# KiCad board Latest-Full-Backplane.kicad_pcb (continued)
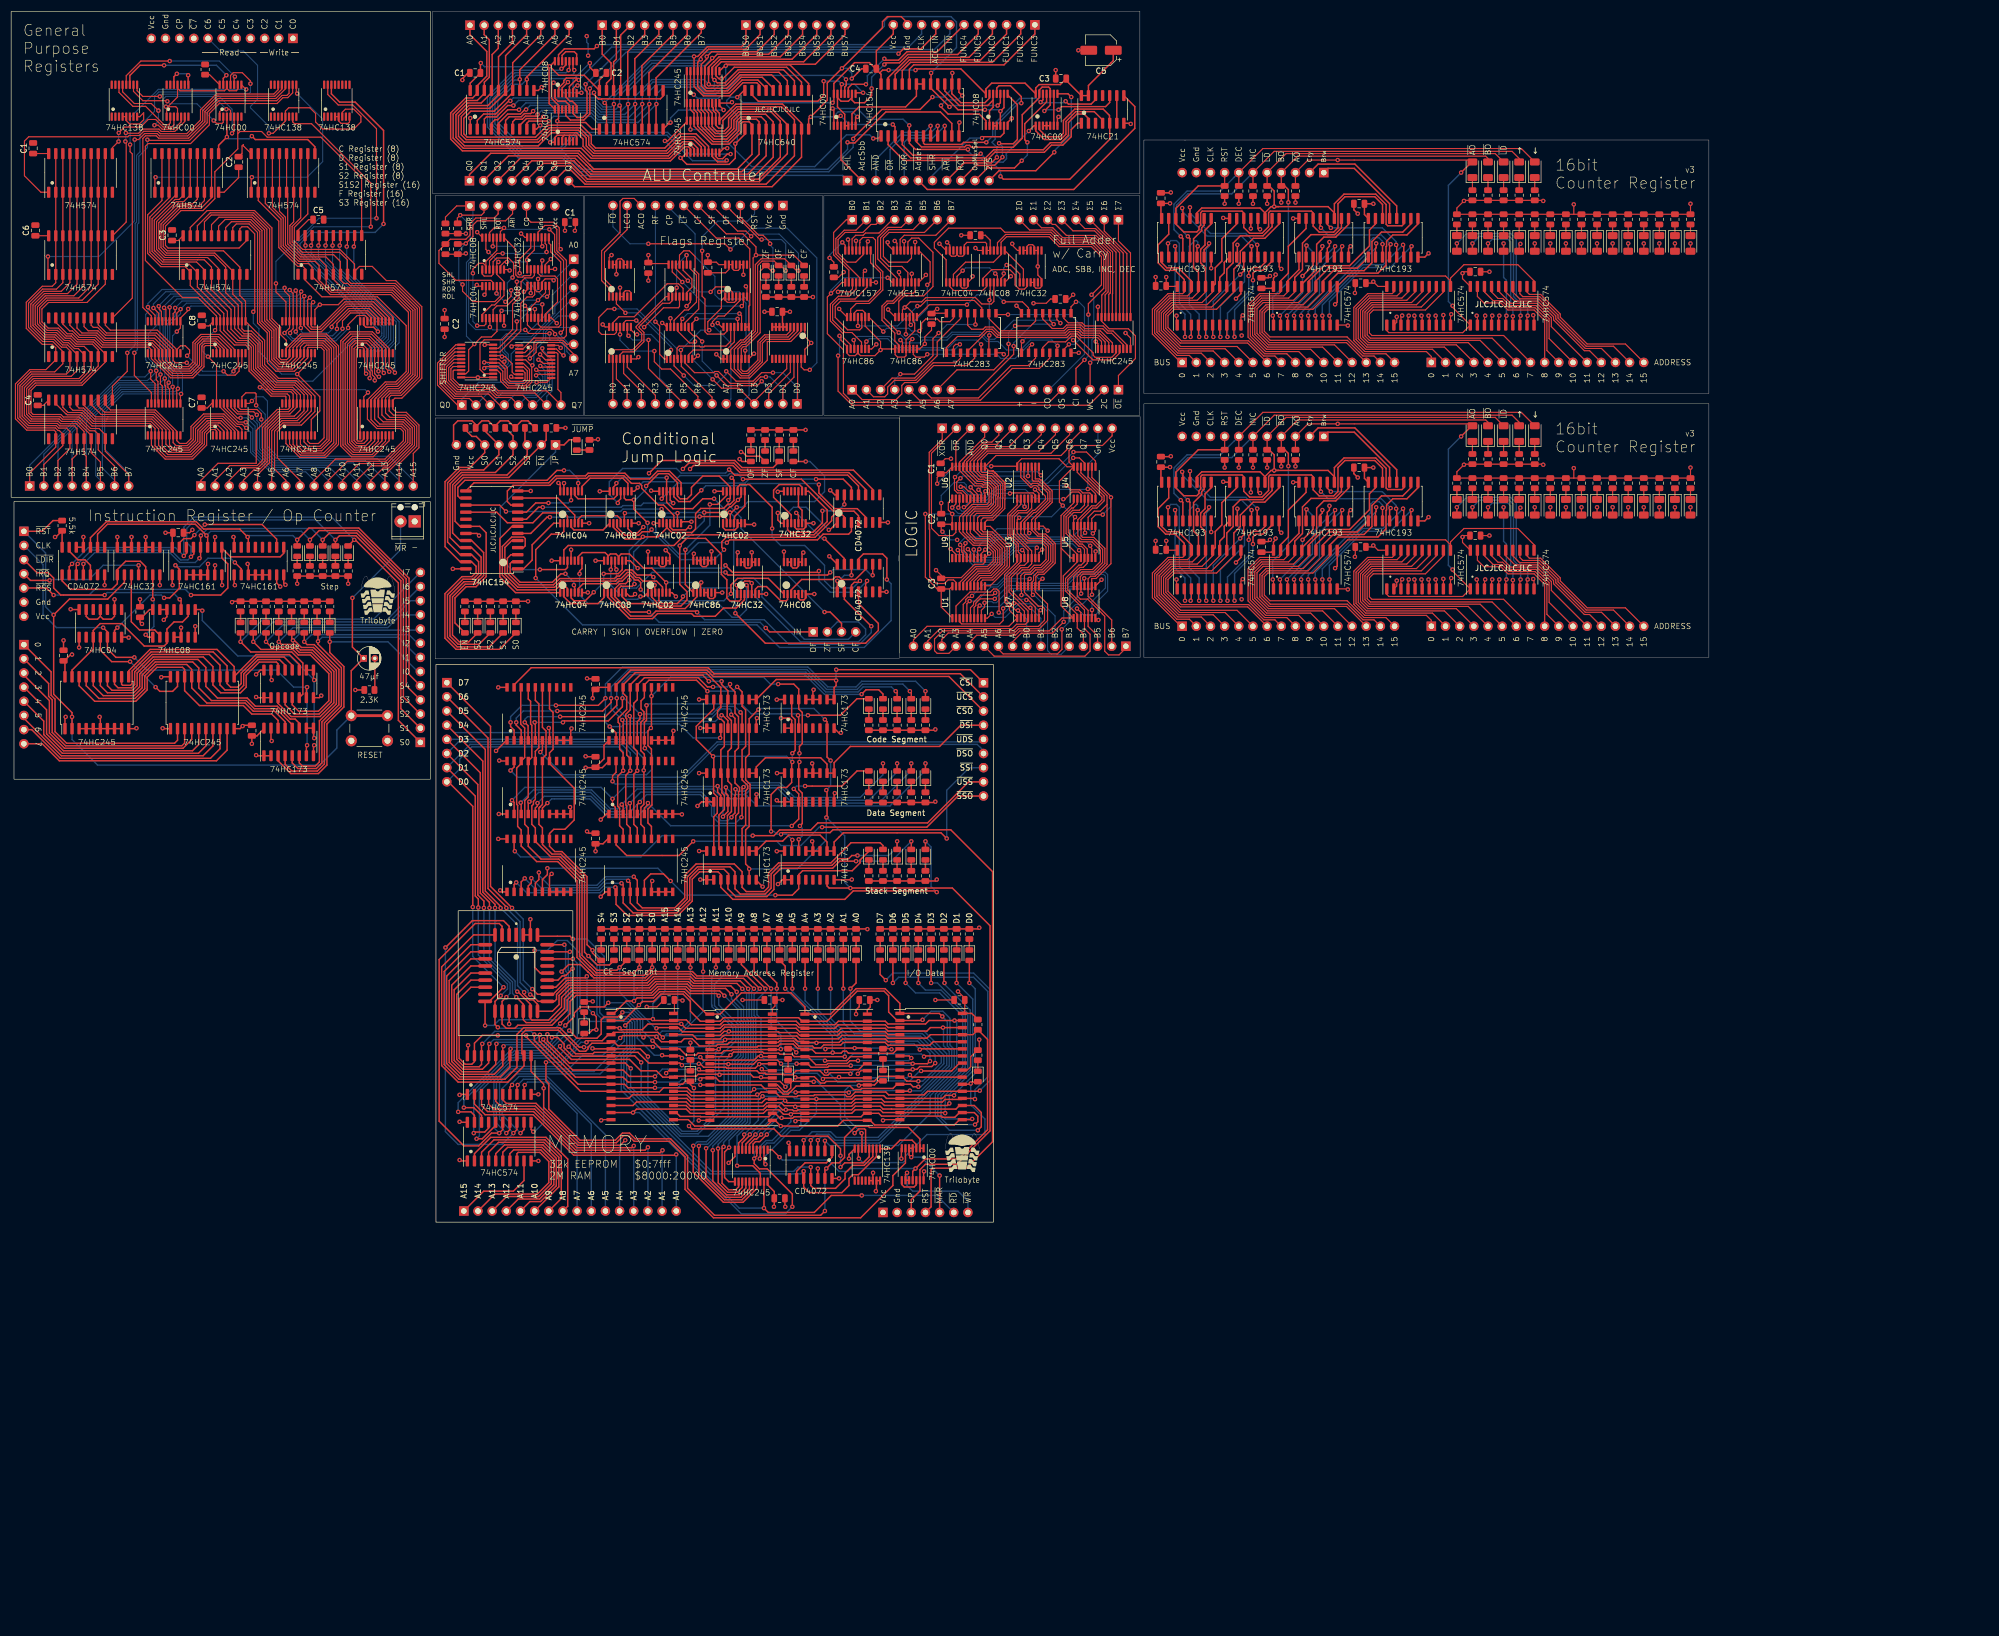
[diagram p0: board, top side]
## Routing (per net, layer and track width the routed paths; a pad name or vN(x,y) marks a point on that pad's centre or on a via; arc(x,y) is an arc through that point) (continued)
ADDR7: length 191.7
  Top w0.2: J2#5.8 51.82,133.02 47.75,137.08 47.75,141.77 48.91,142.93 52.07,142.93 54.49,145.34 54.49,148.13 51.31,151.31 47.95,151.31 45.47,153.79 45.47,158.11 U9#6.11 42.04,165.15 41.02,166.17 41.02,171.25 38.1,174.17 28.03,174.17 27.28,174.92 27.28,178.81 30.26,181.79 34.04,181.79 35.94,183.69 U1#9.9 U1#9.12 ; J3#8.8 267.72,158.99 244.09,158.99 243.65,159.43 243.65,162.86 244.35,163.56 253.68,163.56 256.92,166.8 256.92,167.78 ; 256.92,120.48 256.92,119.49 253.68,116.26 244.35,116.26 243.65,115.56 243.65,112.13 244.09,111.68 267.72,111.68 J3#9.8
ADDR8: length 170.3
  Top w0.2: J3#9.9 275.08,114.37 273.2,116.26 268.5,116.26 267.23,117.53 264.18,117.53 263.02,118.69 U8#5.19 ; U8#8.19 263.02,165.99 264.18,164.83 267.23,164.83 268.5,163.56 273.2,163.56 275.08,161.68 J3#8.9 ; U13#3.19 U13#3.2 44.32,183.19 48.01,179.5 48.01,174.76 51.39,171.37 52.32,171.37 52.7,170.99 52.7,168.96 55.73,165.93 59.96,165.93 59.97,165.93 65.7,165.93 70.86,160.77 70.86,152.52 69,150.65 67.1,150.65 63.91,147.46 U18#2.18 63.91,143.99 65.59,142.31 69.82,142.31 70.36,141.77 70.36,140.13 67.06,136.83 58.17,136.83 54.36,133.02 J2#5.9 ; v1(42.17,142.43) 42.08,142.43 41.44,143.07 40.58,143.07 37.49,146.15 U11#3.18
  Bottom w0.2: v1(42.17,142.43) 42.96,141.63 42.96,138.03 46.45,134.54 52.83,134.54 54.36,133.02 J2#5.9
ADDR9: length 169.9
  Top w0.2: v1(42.07,143.42) 42.03,143.47 40.75,143.47 38.14,146.07 U11#3.17 ; U13#3.18 U13#3.3 45.59,182.68 48.41,179.86 48.41,174.92 51.44,171.88 53.34,171.88 53.97,171.25 53.97,169.98 ; J3#8.10 275.48,156.3 275.48,161.84 273.36,163.96 268.66,163.96 267.39,165.23 265.85,165.23 264.29,166.8 U8#8.18 ; U8#5.18 264.29,119.49 265.85,117.93 267.39,117.93 268.66,116.66 273.36,116.66 275.48,114.54 275.48,109 J3#9.10 ; 53.97,169.61 57.25,166.33 60.13,166.33 60.13,166.33 68.09,166.33 71.26,163.16 71.26,152.35 69.16,150.25 67.33,150.25 67.31,150.23 67.28,150.23 64.56,147.51 U18#2.17 64.56,143.9 65.75,142.71 69.98,142.71 70.75,141.93 70.75,139.96 67.22,136.43 60.31,136.43 56.9,133.02 J2#5.10
  Bottom w0.2: J2#5.10 56.9,133.02 54.98,134.94 46.62,134.94 43.36,138.2 43.36,142.26 42.2,143.42 v1(42.07,143.42)
ADDR10: length 170.5
  Top w0.2: J2#5.11 59.44,133.02 62.45,136.03 67.39,136.03 71.15,139.8 71.15,142.1 70.15,143.11 66.11,143.11 65.21,144.01 U18#2.16 65.21,147.57 65.46,147.82 67.5,149.86 69.33,149.86 71.66,152.19 71.66,163.33 68.26,166.73 60.3,166.73 60.3,166.73 57.42,166.73 55.24,168.9 55.24,171.53 54.49,172.28 51.61,172.28 48.81,175.09 48.81,180.03 46.86,181.97 U13#3.4 U13#3.17 ; v1(41.16,144.22) 40.56,144.22 38.79,145.99 U11#3.16 ; U8#8.17 265.56,166.8 266.72,165.63 267.56,165.63 268.83,164.36 273.53,164.36 275.88,162.01 275.88,158.44 J3#8.11 ; J3#9.11 275.88,111.14 275.88,114.7 273.53,117.06 268.83,117.06 267.56,118.33 266.72,118.33 265.56,119.49 U8#5.17
  Bottom w0.2: J2#5.11 59.44,133.02 57.12,135.34 46.78,135.34 43.76,138.37 43.76,142.72 42.26,144.22 v1(41.16,144.22)
ADDR11: length 170.2
  Top w0.2: J2#5.12 61.98,133.02 64.59,135.63 67.55,135.63 71.55,139.63 71.55,142.26 70.31,143.51 66.73,143.51 65.86,144.38 U18#2.15 65.86,147.65 67.66,149.46 69.5,149.46 72.06,152.02 72.06,163.49 68.43,167.13 60.46,167.13 60.46,167.13 57.58,167.13 56.51,168.2 56.51,171.5 55.33,172.68 51.78,172.68 49.2,175.25 49.2,180.2 48.13,181.27 U13#3.5 U13#3.16 ; J3#8.12 276.28,160.58 276.28,162.17 273.69,164.76 269,164.76 266.83,166.93 266.83,167.78 ; 266.83,120.48 266.83,119.62 269,117.46 273.69,117.46 276.28,114.87 276.28,113.28 J3#9.12 ; U11#3.15 39.44,146.04 40.56,144.92 42.55,144.92 v1(43.18,144.29)
  Bottom w0.2: J2#5.12 61.98,133.02 59.26,135.74 46.95,135.74 44.16,138.53 44.16,143.1 43.18,144.08 v1(43.18,144.29)
ADDR12: length 170.5
  Top w0.2: J2#5.13 64.52,133.02 66.73,135.23 67.72,135.23 71.95,139.47 71.95,142.43 70.48,143.9 67.35,143.9 66.51,144.75 U18#2.14 66.51,147.74 67.83,149.06 69.66,149.06 72.46,151.86 72.46,163.66 68.59,167.53 60.63,167.53 60.63,167.53 59.33,167.53 57.78,169.07 57.78,171.75 56.46,173.08 51.94,173.08 49.6,175.42 49.6,184.47 ; J3#8.13 283.14,156.26 282.2,156.26 276.68,161.79 276.68,162.34 273.86,165.16 269.73,165.16 268.1,166.8 U8#8.15 ; U13#3.15 U13#3.6 ; U8#5.15 268.1,119.49 269.73,117.86 273.86,117.86 276.68,115.03 276.68,114.48 282.2,108.96 283.14,108.96 J3#9.13 ; 40.09,146.8 40.09,145.96 40.73,145.32 43.5,145.32 v1(44.06,144.76)
  Bottom w0.2: J2#5.13 64.52,133.02 61.4,136.14 47.12,136.14 44.56,138.7 44.56,143.27 44.06,143.76 v1(44.06,144.76)
ADDR13: length 174
  Top w0.2: v1(44.87,143.94) 44.87,144.94 44.09,145.72 41.15,145.72 40.74,146.13 U11#3.13 ; U13#3.14 U13#3.7 50.67,179.38 50,178.71 50,175.58 52.11,173.48 57.84,173.48 59.05,172.26 59.05,168.96 59.69,168.33 60.4,168.33 60.79,167.93 68.76,167.93 72.86,163.82 72.86,151.69 69.83,148.66 67.99,148.66 67.16,147.82 U18#2.13 67.16,145.11 67.96,144.3 70.64,144.3 72.35,142.6 72.35,139.3 67.06,134.01 J2#5.14 ; U8#8.14 269.37,166.8 270.6,165.56 274.03,165.56 277.08,162.5 277.08,161.95 282.37,156.66 285.28,156.66 J3#8.14 ; U8#5.14 269.37,119.49 270.6,118.26 274.03,118.26 277.08,115.2 277.08,114.65 282.37,109.36 285.28,109.36 J3#9.14
  Bottom w0.2: J2#5.14 67.06,133.02 63.54,136.54 47.42,136.54 47.38,136.58 47.24,136.58 44.96,138.86 44.96,143.86 v1(44.87,143.94)
ADDR14: length 181
  Top w0.2: J2#5.15 69.6,135.98 72.75,139.14 72.75,142.76 70.81,144.7 68.58,144.7 67.81,145.48 67.81,147.91 68.16,148.26 69.99,148.26 73.26,151.53 73.26,163.99 68.92,168.33 60.96,168.33 60.32,168.96 60.32,172.52 58.93,173.91 52.24,173.91 50.4,175.75 50.4,178.54 51.94,180.08 U13#3.8 U13#3.13 ; J3#8.15 287.42,157.06 282.54,157.06 277.48,162.12 277.48,162.67 274.19,165.96 271.16,165.96 270.64,166.48 U8#8.13 ; J3#9.15 287.42,109.76 282.54,109.76 277.48,114.81 277.48,115.37 274.19,118.66 271.16,118.66 270.64,119.18 U8#5.13 ; U11#3.12 41.39,148 42.1,148.71 43.75,148.71 43.94,148.51 v1(43.94,146.48)
  Bottom w0.2: v1(43.94,146.48) 45.57,144.85 45.57,138.95 47.59,136.94 65.68,136.94 69.6,133.02 J2#5.15
ADDR15: length 181.9
  Top w0.2: U8#8.12 271.91,166.8 272.34,166.36 274.36,166.36 277.88,162.84 277.88,162.28 282.7,157.46 289.56,157.46 J3#8.16 ; v1(43.18,147.24) 42.74,146.8 U11#3.11 ; J2#5.16 72.14,137.85 73.15,138.86 73.15,142.93 70.87,145.21 69.09,145.21 68.46,145.84 U18#2.11 ; 61.59,169.98 61.59,171.81 58.98,174.42 52.29,174.42 50.8,175.91 50.8,178.37 53.21,180.79 U13#3.9 U13#3.12 ; 68.46,147.38 68.83,147.75 70.08,147.75 73.66,151.33 73.66,164.15 68.98,168.83 67.31,168.83 64.77,171.37 62.48,171.37 61.59,170.49 ; U8#5.12 271.91,119.49 272.34,119.06 274.36,119.06 277.88,115.53 277.88,114.98 282.7,110.16 289.56,110.16 J3#9.16
  Bottom w0.2: J2#5.16 72.14,133.02 67.82,137.34 47.75,137.34 45.97,139.12 45.97,147.24 45.21,148.01 43.94,148.01 v1(43.18,147.24)
ADR0: length 65.3
  Top w0.25: D6.2 87.58,102.71 79.82,102.71 77.81,104.72 77.81,112.68 80.88,115.75 82.66,115.75 83.4,116.49 83.4,117.61 82.59,118.42 U13#2.23 80.54,118.42 77.84,121.12 77.84,132.77 80.39,135.33 82.3,135.33 84.95,137.97 J3#5.6 83.42,140.89 82.66,140.89 81.5,142.06 R11.1
ADR1: length 63.4
  Top w0.25: R12.1 85.05,141.81 J3#5.5 87.49,137.59 84.77,134.88 80.58,134.88 78.29,132.59 78.29,121.94 80.54,119.69 U13#2.22 82.59,119.69 83.85,118.43 83.85,116.31 82.84,115.3 81.07,115.3 78.26,112.5 78.26,104.9 80,103.16 85.75,103.16 D7#3.2
ADR2: length 61.7
  Top w0.25: R13#3.1 90.03,141 J3#5.4 90.03,137.59 86.86,134.43 80.77,134.43 78.74,132.4 78.74,122.76 80.54,120.95 U13#2.21 82.59,120.95 84.3,119.25 84.3,116.12 83.03,114.85 81.25,114.85 78.71,112.31 78.71,105.09 80.19,103.61 83.91,103.61 D8.2
ADR3: length 60.1
  Top w0.25: D9#2.2 82.08,104.06 80.38,104.06 79.16,105.28 79.16,112.12 81.44,114.4 83.22,114.4 84.75,115.93 84.75,120.07 82.59,122.23 U13#2.20 80.54,122.23 79.19,123.58 79.19,132.21 80.95,133.98 88.95,133.98 92.57,137.59 J3#5.3 92.16,139.77 R14#4.1
ALU_FUNC_0: length 24.7
  Top w0.25: J5.4 176.02,213.06 171.82,208.87 160.96,208.87 157.31,205.22 U3#2.23
ALU_FUNC_1: length 26.4
  Top w0.25: U3#2.22 158.58,205.85 161.14,208.42 173.91,208.42 178.56,213.06 J5.3
ALU_FUNC_2: length 28
  Top w0.25: J5.2 181.1,213.06 176,207.97 161.33,207.97 159.85,206.49 U3#2.21
ALU_FUNC_3: length 29.4
  Top w0.25: U3#2.20 161.12,206.75 161.89,207.52 178.09,207.52 183.64,213.06 J5.1
ALU_FUNC_4: length 27.5
  Top w0.25: J5.6 166.12,209.88 160.7,209.88 159.18,208.36 156.89,208.36 v1(156.64,208.61) ; U8#4.10 150.18,203.42 150.8,204.04 v1(153.34,204.04)
  Bottom w0.25: v1(156.64,208.61) 153.59,205.56 153.59,204.29 v1(153.34,204.04)
ALU_FUNC_5: length 42.7
  Top w0.25: 148.23,201.64 148.88,200.99 150.18,200.99 150.83,201.64 ; U8#4.13 148.23,199.97 149.53,198.67 U8#4.4 U8#4.5 ; v1(154.35,203.28) 154.35,202.01 153.08,200.74 151.3,200.74 150.83,201.22 U8#4.9 ; v1(156.64,207.59) 156.94,207.89 159.34,207.89 160.83,209.37 169.79,209.37 173.48,213.06 J5.5
  Bottom w0.25: v1(154.35,203.28) 154.35,205.31 156.63,207.59 v1(156.64,207.59)
ARITHMETIC: length 17.9
  Top w0.2: U2#3.1 84.51,162.76 86.2,164.46 86.73,164.46 88.41,166.13 U2#3.8 88.41,168.64 87.11,169.94 U1#5.5 87.11,171.89 v1(87.4,172.19) ; U1#5.13 85.16,174.43 v1(85.63,173.96)
  Bottom w0.2: v1(87.4,172.19) v1(85.63,173.96)
ARITHMETIC_CARRY_OUT: length 23.6
  Top w0.2: J1#6.11 111.76,183.57 109.73,183.57 109.22,183.06 109.22,177.47 105.92,174.17 105.92,168.83 107.27,167.48 U35.1
B0: length 59.5
  Top w0.2: U7.2 181.11,109.19 v1(180.61,109.69) 180.25,109.69 179.79,110.15 179.75,110.15 179.74,110.16 179.74,110.16 179.68,110.22 179.67,110.22 179.66,110.23 179.65,110.23 179.6,110.28 179.6,110.28 179.17,110.7 179.17,110.89 178.61,111.45 178.61,115.94 180.72,118.04 180.73,118.04 181.11,118.43 U3#9.2 181.11,119.73 180.66,120.18 180.66,121.63 179.16,123.13 179.16,126.75 181.11,128.7 U2#7.2 ; J2#3.1 149.83,179.76 147.54,177.47 147.54,173.44 150.27,170.71 U1.2
  Top w0.25: J2.1 106.03,209.44 107.61,207.85 107.61,205.05 106.79,204.23 106.79,202.93
  Bottom w0.2: J1#7.8 182.18,108.11 182.19,108.11 v1(180.61,109.69)
B1: length 64.9
  Top w0.2: U1.5 152.22,169.33 147.94,173.61 147.94,176.37 149.44,177.87 151.53,177.87 J2#3.2 ; U7.5 183.06,109.93 v1(182.82,110.17) 182.49,110.17 179.41,113.25 179.41,115.61 181.05,117.24 181.06,117.24 181.18,117.37 182.38,117.37 183.06,118.05 U3#9.5 183.06,120.37 179.96,123.47 179.96,126.42 180.73,127.19 182.24,127.19 183.06,128.01 U2#7.5
  Top w0.25: U4#5.18 108.06,208.04 108.56,208.55 J2.2
  Bottom w0.2: J1#7.7 184.72,108.27 v1(182.82,110.17)
B2: length 72.3
  Top w0.2: U2#7.10 183.16,135.35 183.16,133.1 183.38,132.88 184.28,132.88 184.47,132.69 184.6,132.69 186.34,130.95 186.34,129.23 183.06,125.96 U3#9.10 183.06,124.12 184.19,122.99 185.41,122.99 185.68,122.72 185.7,122.72 186.89,121.53 186.89,118.37 185.08,116.57 184.12,116.57 183.4,115.85 183.4,115.07 183.06,114.73 U7.10 183.06,112.69 v1(183.28,112.48) ; J2#3.3 155.11,178.91 154.23,178.91 152.79,177.47 149.61,177.47 148.34,176.2 148.34,173.78 149.98,172.14 151.5,172.14 152.87,173.5 U1.11
  Top w0.25: U4#5.17 109.33,212.85 J2.3
  Bottom w0.2: J1#7.6 187.26,108.7 183.48,112.48 v1(183.28,112.48)
B3: length 76.8
  Top w0.2: J2#3.4 158.07,179.76 155.67,177.36 153.25,177.36 152.85,176.96 151.5,176.96 150.85,176.31 150.85,174.3 U1.14 ; U2#7.13 181.11,133.54 182.88,131.77 183.06,131.77 183.37,132.08 183.95,132.08 184.36,131.67 184.36,131.33 185.54,130.15 185.54,129.58 183.6,127.64 183.28,127.64 181.11,125.48 U3#9.13 181.11,123.48 182.4,122.19 185.08,122.19 185.35,121.92 185.37,121.92 186.09,121.2 186.09,118.7 184.75,117.37 183.63,117.37 182.8,116.54 181.71,116.54 181.11,115.95 U7.13 181.23,113.94 v1(181.23,112.44)
  Top w0.25: J2.4 113.65,212.94 110.6,209.9 U4#5.16
  Bottom w0.2: v1(181.23,112.44) 182.32,112.44 184.32,110.44 184.95,110.44 185.91,109.48 185.91,102.49 186.59,101.82 188.35,101.82 J1#7.5
B4: length 60.2
  Top w0.2: 192.34,104.07 192.34,105.44 191.24,106.54 191.24,108.33 ; 191.24,129.67 191.24,128.77 190.52,128.05 190.26,128.05 188.84,126.64 188.84,122.16 191.21,119.78 191.21,118.36 188.74,115.89 188.74,111.48 188.95,111.27 188.96,111.27 191.24,108.99 191.24,108.27 ; J2#3.5 159.66,178.38 157.26,178.38 155.45,176.57 155.45,172.7 158.9,169.25 U2#4.2
  Top w0.25: U4#5.15 111.87,208.63 116.19,212.94 J2.5
B5: length 68
  Top w0.2: J2#3.6 161.8,177.98 157.42,177.98 155.96,176.51 155.96,172.9 157.48,171.37 159.77,171.37 160.85,170.29 U2#4.5 ; 194.88,104.07 194.88,105.15 193.19,106.84 U8#3.5 ; 193.19,129.67 193.19,128.51 191.93,127.25 190.59,127.25 189.64,126.3 189.64,123.66 191.7,121.59 192.14,121.59 193.04,120.7 193.04,118.13 192.32,117.42 191.7,117.42 189.54,115.26 189.54,113.35 193.19,109.7 193.19,108.27
  Top w0.25: U4#5.14 113.14,207.36 118.73,212.94 J2.6
B6: length 78.3
  Top w0.2: 193.19,135.39 193.19,133.64 196.59,130.24 196.59,128.69 ; U2#4.11 161.5,172.86 160.78,172.14 157.48,172.14 156.46,173.15 156.46,176.45 157.48,177.47 163.83,177.47 J2#3.7 ; 196.59,128.69 195.39,127.49 194.29,127.49 193.19,126.39 U5#8.10 ; 196.59,128.69 196.59,117.95 194.46,115.82 193.64,115.82 193.19,115.37 193.19,113.99 ; 197.42,104.07 197.42,107.97 193.19,112.21 U8#3.10
  Top w0.25: J2.7 121.27,212.94 114.41,206.09 U4#5.13
B7: length 106.5
  Top w0.2: v1(127,166.8) 127.21,167.01 128.57,167.01 128.75,166.83 U39.2 ; 191.24,135.39 191.24,134.46 195.66,130.03 195.66,129.52 194.58,128.44 193.83,128.44 191.34,125.96 191.34,123.08 192.03,122.39 194.04,122.39 195.79,120.65 195.79,118.28 194.13,116.62 192.09,116.62 191.24,115.77 191.24,113.99 ; J2#3.8 165.86,176.96 160.2,176.96 159.46,176.23 159.46,174.32 U2#4.14 ; 191.24,114.05 191.24,112.27 191.79,111.72 193.11,111.72 195.74,109.09 195.74,109.07 196.16,108.64 196.16,102.39 196.84,101.72 198.74,101.72 199.96,102.94 J1#7.1
  Top w0.25: J2.8 123.81,213.3 115.68,205.18 U4#5.12
  Bottom w0.2: v1(127,166.8) 130.61,166.8 132.37,165.04 132.37,148.3 J2#4.5
BO: length 34.8
  Top w0.25: U7#3.13 247.27,135.32 240.93,141.66 236.22,141.66 J4#6.1 ; J4#3.1 236.22,188.96 240.93,188.96 247.27,182.62 U7#6.13
BUS0: length 694.9
  Top w0.2: J1#4.1 3.32,134.31 8,138.99 8,141.73 7.71,142.02 2.8,142.02 0.77,144.04 0.77,150.31 3.33,152.87 6.23,152.87 8,154.64 ; v1(25.03,152.6) 25.03,151.16 25.81,150.39 U10#5.18 ; U1#11.19 210.44,166.8 210.14,166.5 207.51,166.5 204.72,163.7 204.72,159.25 209.8,154.16 J2#7.1 ; U16.18 63.91,162.19 63.52,162.57 62.07,162.57 60.44,160.95 v1(60.44,160.34) ; v1(24.54,164.08) 24.54,163.9 25.81,162.62 U8#2.18 ; v1(49.05,167.54) 49.05,166.92 49.94,166.04 49.94,160.35 49.04,159.45 v1(49.04,159.44) ; U38.3 118.91,153.55 v1(120.65,151.82) ; J2#2.1 209.8,106.86 204.72,111.94 204.72,116.4 207.51,119.19 210.14,119.19 210.44,119.49 U1#4.19 ; U2.18 141.07,146.84 J2#4.1 ; v1(136.65,152.32) 134.62,152.32 133.1,150.8 130.05,150.8 v1(128.27,152.58) ; 8,155.21 8,156.77 7.37,157.4 5.59,157.4 2.72,160.27 2.72,164.95 5.59,167.82 7.37,167.82 8,168.45 8,191.6
  Top w0.25: J1#2.1 7.17,98.67 7.17,94.48 7.87,93.78 7.87,87.94 9.94,85.87 29.31,85.87 29.84,86.41 U7#9.2 ; v1(134.28,41.86) 131.99,44.16 122.99,44.16 122.22,44.94 114.87,44.94 113.75,43.81 104.53,43.81 103.99,44.35 103.99,44.38 103.56,44.81 103.53,44.81 102.15,46.19 100,46.19 v1(98.73,44.92) ; U2#5.15 207.64,177.15 205.75,175.25 205.75,172.02 207.1,170.67 208.79,170.67 210.44,169.02 U1#11.19 ; J2#8.8 78.41,78.96 82.81,74.56 v1(82.81,56.5) ; U1#4.19 210.44,121.72 208.79,123.37 207.1,123.37 205.75,124.71 205.75,127.95 207.64,129.84 U2#6.15 ; v1(106.47,200.7) 106.79,200.37 106.79,196.01 ; v1(88.32,42.13) 85.78,39.59 U11.13 85.01,39.57 v1(85.01,35.27) ; U6.18 134.16,203.91 133.76,204.31 131.26,204.31 128.92,201.97 124.17,201.97 122.5,203.63 U5#10.18 122.5,209.02 v1(122.5,209.02) 123.15,209.02 124.9,210.77 131,210.77 131.8,211.58 J4#2.1 ; U20.14 126.96,66.89 126.96,73 127.94,73.98 127.94,76.54 127.48,77 127.48,80.34 127.3,80.52 127.3,84.67 127.93,85.3 127.93,89.63 127.39,90.17 127.13,90.17 126.71,90.59 126.71,91.69 127.3,92.29 127.3,95.85 125.87,97.28 125.87,97.29 124.63,98.53 111.96,98.53 109.78,96.35 U19.18 109.78,94.83 110.41,94.2 110.41,91.91 108.89,90.39 108.89,89.62 109.15,89.35 109.15,84.79 109.78,84.16 U15#2.18 109.78,80.97 v1(109.79,80.95) 108.8,79.95 108.8,74.59 109.14,74.24 109.14,71.08 109.78,70.45 U23.18 ; v1(89.54,201.06) 89.27,201.06 86.91,198.71 84.76,198.71 83.61,197.56 U2#9.2 ; U8#6.18 134.39,8.75 133.02,10.12 v1(130.23,10.12)
  Bottom w0.2: v1(136.65,152.32) 138.43,152.32 140.97,149.78 J2#4.1 ; J1#4.1 3.32,135.72 19.16,151.56 24,151.56 v1(25.03,152.6) 25.03,153.71 24.13,154.61 24.13,162.77 24.54,163.17 v1(24.54,164.08) 24.54,164.72 27.05,167.24 48.75,167.24 v1(49.05,167.54) ; v1(60.44,160.34) 60.44,160.22 58.24,158.02 50.38,158.02 49.04,159.36 v1(49.04,159.44) ; v1(120.65,151.82) 122.43,150.04 126.24,150.04 128.27,152.07 v1(128.27,152.58)
  Bottom w0.25: v1(98.73,44.92) 99.49,44.16 99.49,37.81 97.97,36.28 87.55,36.28 86.54,35.27 v1(85.01,35.27) ; J2#8.8 80.44,81.24 80.44,83.02 82.65,85.23 108.97,85.23 109.79,84.4 v1(109.79,80.95) ; v1(88.32,42.13) 82.81,47.63 v1(82.81,56.5) ; v1(134.28,41.86) 133.27,40.86 133.27,37.05 133.57,36.76 133.57,28.73 132.55,27.71 132.55,17.79 130.23,15.46 v1(130.23,10.12) ; v1(89.54,201.06) 90.07,201.6 105.57,201.6 v1(106.47,200.7) 106.47,200.73 114.76,209.02 v1(122.5,209.02)
BUS1: length 678.4
  Top w0.2: v1(135.38,151.56) 134.42,151.56 133.26,150.4 129.01,150.4 126.87,152.53 126.2,152.53 125.99,152.32 122.6,152.32 120.86,154.06 U38.6 ; U7#7.3 9.27,139.24 5.86,135.83 J1#4.2 ; 211.71,120.48 211.71,119.49 211.01,118.79 207.68,118.79 205.12,116.23 205.12,112.11 209.11,108.11 211.34,108.11 J2#2.2 ; 211.71,167.78 211.71,166.8 211.01,166.1 207.68,166.1 205.12,163.54 205.12,159.41 209.11,155.42 211.34,155.42 J2#7.2 ; v1(25.52,163.92) 26.46,162.98 U8#2.17 ; J2#4.2 138.43,149.53 140.42,151.52 U2.17 ; v1(59.44,160.2) 59.44,161.61 60.85,163.03 63.72,163.03 64.56,162.19 U16.17 ; v1(49.97,167.14) 49.97,167.14 50.59,166.52 50.59,160.21 50.04,159.66 v1(50.04,159.44) ; 9.27,141.31 8.63,141.95 8.4,141.95 7.94,142.42 2.96,142.42 1.17,144.21 1.17,150.14 3.5,152.47 7.82,152.47 9.27,153.92 U6#2.3 9.27,156.12 7.48,157.91 5.64,157.91 3.12,160.44 3.12,164.78 5.64,167.31 8.13,167.31 9.27,168.45 U5#2.3 U4#2.18 ; v1(26.03,152.67) 26.03,151.05 26.33,150.74 26.33,146.93 U10#5.17
  Top w0.25: U4#5.3 108.12,196.07 v1(108.12,200.48) ; 211.71,167.78 211.71,168.77 209.36,171.12 207.32,171.12 206.38,172.06 U2#5.1 ; 31.11,88.49 31.11,85.9 30.64,85.43 9.75,85.43 7.37,87.81 7.37,93.65 6.72,94.29 6.72,96.58 J1#2.2 ; U2#9.3 84.88,197.82 85.26,198.2 87.04,198.2 89.07,200.23 v1(90.09,200.23) ; v1(87.3,34.94) 86.79,35.45 U11.14 86.79,39.58 v1(87.81,40.6) ; J2#8.7 83.26,76.39 83.26,58.49 83.8,57.94 v1(83.8,56.42) ; v1(126.92,40.6) 126.53,40.99 121.71,40.99 120.91,41.79 116.18,41.79 115.05,40.66 112.11,40.66 101.33,40.66 100.25,39.59 100.25,37.39 v1(98.47,35.61) ; U20.13 128.49,66.63 128.49,72.91 129.21,73.63 129.21,78.45 128.57,79.08 128.57,84.42 129.2,85.04 129.2,89.95 128.45,90.7 128.45,93.59 128.57,93.72 128.57,95.28 127.43,96.42 v1(127.43,96.99) ; U6.17 135.43,203.32 133.95,204.8 131.11,204.8 128.73,202.42 124.35,202.42 123.15,203.62 U5#10.17 123.15,207.97 v1(123.7,208.52) 123.7,208.94 125.09,210.32 131.71,210.32 134.34,212.96 134.34,214.64 ; U2#6.1 206.38,124.76 207.32,123.82 209.36,123.82 211.71,121.47 211.71,120.48 ; v1(125.15,96.99) 124.06,98.08 112.78,98.08 111.05,96.35 U19.17 111.05,91.86 110.23,91.04 110.23,90.44 110.41,90.26 110.41,83.78 111.05,83.14 U15#2.17 111.05,80.97 v1(111.06,80.95) 110.25,80.13 110.25,74.83 110.41,74.66 110.41,71.34 111.05,70.7 U23.17 ; U8#6.17 133.74,6.02 131.28,3.56 127.77,3.56 122.35,8.98 v1(122.35,13.68)
  Bottom w0.2: v1(49.97,167.14) 49.67,166.84 27.72,166.84 25.52,164.64 v1(25.52,163.92) 26.16,163.28 26.16,160.88 24.64,159.35 24.64,154.86 26.03,153.48 v1(26.03,152.67) 26.03,152.48 24.46,150.91 19.07,150.91 5.86,137.69 J1#4.2 ; v1(135.38,151.56) 136.14,151.56 138.43,149.28 J2#4.2 ; v1(59.44,160.2) 59.44,159.94 57.91,158.42 50.55,158.42 50.04,158.93 v1(50.04,159.44)
  Bottom w0.25: v1(87.3,34.94) 87.48,34.76 97.63,34.76 v1(98.47,35.61) ; v1(126.92,40.6) 126.92,38.95 130.42,35.45 130.42,30.03 129.4,29.01 129.4,19.1 124.73,14.42 123.09,14.42 v1(122.35,13.68) ; v1(90.09,200.23) 91.01,201.15 104.99,201.15 106.17,199.97 107.61,199.97 v1(108.12,200.48) 108.12,201.75 114.67,208.3 123.48,208.3 v1(123.7,208.52) ; v1(125.15,96.99) v1(127.43,96.99) ; J2#8.7 82.34,85.68 109.54,85.68 111.05,84.16 111.05,80.97 v1(111.06,80.95) ; v1(83.8,56.42) 83.8,47.92 89.04,42.68 89.04,41.83 v1(87.81,40.6)
BUS2: length 696.7
  Top w0.2: U4#2.17 U5#2.4 10.54,168.45 9,166.91 5.81,166.91 3.52,164.62 3.52,160.6 5.81,158.31 7.64,158.31 9.05,156.9 9.9,156.9 10.54,156.26 U6#2.4 10.54,152.7 9.91,152.07 3.67,152.07 1.57,149.98 1.57,144.38 3.12,142.83 8.09,142.83 8.54,142.38 9.94,142.38 10.54,141.78 U7#7.4 10.54,138.74 8.4,136.59 J1#4.3 ; U2.16 139.77,152.4 135.89,148.51 J2#4.3 ; U16.16 65.21,162.19 63.97,163.43 60.69,163.43 58.44,161.17 v1(58.44,160.17) ; 27.11,146.8 27.11,149.95 26.78,150.28 v1(26.78,152) ; v1(51.05,159.69) 51.24,159.87 51.24,166.86 v1(51.04,167.06) ; J2#2.3 213.48,108.51 209.28,108.51 205.52,112.28 205.52,116.07 207.84,118.39 211.88,118.39 212.98,119.49 U1#4.17 ; v1(123.95,157.91) 122.94,158.93 122.37,158.93 121.51,159.78 U38.10 ; J2#7.3 213.48,155.82 209.28,155.82 205.52,159.58 205.52,163.37 207.84,165.7 211.88,165.7 212.98,166.8 U1#11.17 ; v1(26.47,164.24) 26.55,164.16 26.55,163.72 26.96,163.31 26.96,161.68 27.11,161.54 ; v1(134.64,150.78) 133.85,150 128.37,150 v1(126.54,151.83)
  Top w0.25: U23.16 112.32,70.7 111.69,71.33 111.69,80.33 v1(112.32,80.95) U15#2.16 112.32,84.42 111.68,85.05 111.68,93.05 112.32,93.68 U19.16 112.32,96.35 113.6,97.63 123.24,97.63 124.89,95.97 v1(125.91,95.97) ; U1#4.17 212.98,123.01 212.1,123.88 212.1,129.03 213.56,130.49 213.56,131 213.99,131.44 213.99,132.67 ; U8#6.16 133.09,6 131.09,4.01 127.96,4.01 123.36,8.6 v1(123.36,13.66) ; J1#2.3 2.29,98.09 6.86,93.52 6.86,87.68 9.57,84.98 30.82,84.98 32.38,86.54 U7#9.4 ; v1(109.14,200.23) 109.33,200.04 U4#5.4 ; U2#9.4 86.15,197.06 86.79,197.69 87.3,197.69 89.08,199.47 v1(91.1,199.47) ; J2#8.6 83.71,78.49 83.71,58.67 84.8,57.58 v1(84.8,56.35) ; v1(128.96,96.48) 128.96,95.97 129.84,95.09 129.84,91.27 130.47,90.64 130.47,85.04 129.84,84.42 129.84,78.75 130.66,77.93 130.66,77.33 130.49,77.16 130.49,73.38 129.97,72.87 129.97,66.67 129.84,66.55 ; v1(127.94,40.61) 127.09,41.46 121.88,41.46 121.1,42.24 115.99,42.24 114.86,41.11 111.92,41.11 101.02,41.11 99.75,39.84 99.75,38.06 97,35.31 90.9,35.31 90.35,34.76 88.82,34.76 88.06,35.52 U11.15 88.06,39.59 v1(88.82,40.35) ; J4#2.3 136.88,212.96 133.8,209.87 125.66,209.87 v1(124.78,208.99) 124.78,208.58 123.8,207.6 U5#10.16 123.8,203.72 124.66,202.87 128.54,202.87 130.97,205.29 134.73,205.29 136.7,203.32 136.7,202.93 ; 213.99,179.98 213.99,178.74 213.56,178.3 213.56,177.8 212.1,176.34 212.1,171.19 212.98,170.31 U1#11.17
  Bottom w0.2: v1(123.95,157.91) 123.95,154.42 v1(126.54,151.83) ; v1(134.64,150.78) 135.89,149.53 J2#4.3 ; v1(51.05,159.69) 51.05,159.44 51.56,158.93 57.66,158.93 58.44,159.71 v1(58.44,160.17) ; v1(51.04,167.06) 50.42,166.44 28.59,166.44 26.47,164.31 v1(26.47,164.24) 26.69,164.02 26.69,153.52 26.78,153.43 v1(26.78,152) 25.29,150.51 19.24,150.51 8.4,139.67 J1#4.3
  Bottom w0.25: v1(124.78,208.99) 124.78,208.58 124,207.8 114.93,207.8 109.14,202.01 v1(109.14,200.23) 108.44,199.53 105.98,199.53 104.81,200.7 92.33,200.7 v1(91.1,199.47) ; v1(128.96,96.48) 128.45,95.97 v1(125.91,95.97) ; v1(123.36,13.66) 123.67,13.97 124.92,13.97 129.85,18.91 129.85,28.83 130.87,29.85 130.87,35.64 130.36,36.15 130.36,38.18 127.94,40.6 v1(127.94,40.61) ; v1(112.32,80.95) 112.32,83.66 109.85,86.13 80.25,86.13 J2#8.6 ; v1(88.82,40.35) 89.49,41.01 89.49,42.87 84.8,47.56 v1(84.8,56.35)
BUS3: length 701.6
  Top w0.2: 27.72,146.84 27.72,149.91 27.56,150.07 v1(27.56,151.3) ; v1(125.83,151.13) 127.43,149.53 130.56,149.53 J2#4.4 133.35,147.24 139.12,153.01 U2.15 ; v1(27.43,163.96) 27.76,163.63 U8#2.15 ; 11.81,155.61 10.12,157.3 9.22,157.3 7.81,158.71 5.98,158.71 3.92,160.77 3.92,164.45 5.98,166.51 10.12,166.51 11.81,168.2 U5#2.5 U4#2.16 ; v1(122.68,157.91) 122.43,157.66 121.69,157.66 119.56,159.78 U38.13 ; 214.25,168.77 U1#11.16 214.25,166.8 212.75,165.3 208.01,165.3 205.92,163.21 205.92,159.75 209.45,156.22 215.62,156.22 J2#7.4 ; 214.25,121.47 U1#4.16 214.25,119.49 212.75,117.99 208.01,117.99 205.92,115.9 205.92,112.44 209.45,108.91 215.62,108.91 J2#2.4 ; J1#4.4 10.94,136.81 10.92,136.83 11.81,137.72 U7#7.5 11.81,142.29 11.32,142.78 8.71,142.78 8.26,143.23 3.28,143.23 1.97,144.54 1.97,149.81 3.83,151.67 10.78,151.67 11.81,152.7 U6#2.5 ; U16.15 65.86,162.19 64.22,163.83 60.52,163.83 57.5,160.8 v1(57.5,160.52) ; v1(52.02,166.87) 51.89,166.74 51.89,166.34 51.88,166.33 51.88,165.75 51.89,165.74 51.89,160.42 v1(51.97,160.34)
  Top w0.25: J4#2.4 139.42,212.96 135.89,209.43 126.65,209.43 124.45,207.23 U5#10.15 124.42,206.36 124.42,203.74 124.84,203.32 128.36,203.32 130.78,205.74 136.4,205.74 137.97,204.17 U6.15 ; U1#11.16 214.25,171.14 213.37,172.02 213.37,174.44 214.16,175.22 214.16,177.88 215.26,178.99 U2#5.9 ; v1(85.8,56.35) 85.8,57.34 84.16,58.99 84.16,80.58 J2#8.5 ; v1(129.21,40.86) 128.16,41.91 122.06,41.91 121.29,42.69 115.81,42.69 114.68,41.56 111.73,41.56 100.7,41.56 99.24,40.09 99.24,38.32 96.7,35.78 92.38,35.78 91.87,36.28 U11.18 91.87,39.08 v1(90.6,40.35) ; U2#6.9 215.26,131.69 214.16,130.58 214.16,127.92 213.37,127.13 213.37,124.71 214.25,123.83 U1#4.16 ; U2#9.5 87.42,197.06 89.07,198.71 91.36,198.71 92.16,199.51 v1(92.37,199.51) ; 33.65,88.49 33.65,85.65 32.53,84.53 9.38,84.53 6.35,87.56 6.35,91.87 J1#2.4 ; v1(130.23,95.98) 131.11,95.09 131.11,92.5 131.75,91.86 131.75,85.31 131.11,84.67 131.11,79.3 132.1,78.31 132.1,77.71 131.75,77.36 131.75,71.21 131.11,70.57 U20.11 ; v1(110.66,200.48) 110.66,196.07 U4#5.5 ; U8#6.15 132.44,5.99 130.91,4.46 128.14,4.46 124.65,7.95 v1(124.65,13.25) ; U23.15 113.59,70.7 112.96,71.33 112.96,74.39 113.5,74.93 113.5,81.6 113.59,81.69 U15#2.15 113.59,83.91 112.95,84.54 112.95,89.62 113.52,90.19 113.52,91.5 112.99,92.03 112.99,93.47 113.59,94.07 U19.15 113.59,96.35 114.42,97.18 122.93,97.18 v1(124.89,95.21)